# KiCad board poly_kb_molecule_4x5.kicad_pcb (continued)
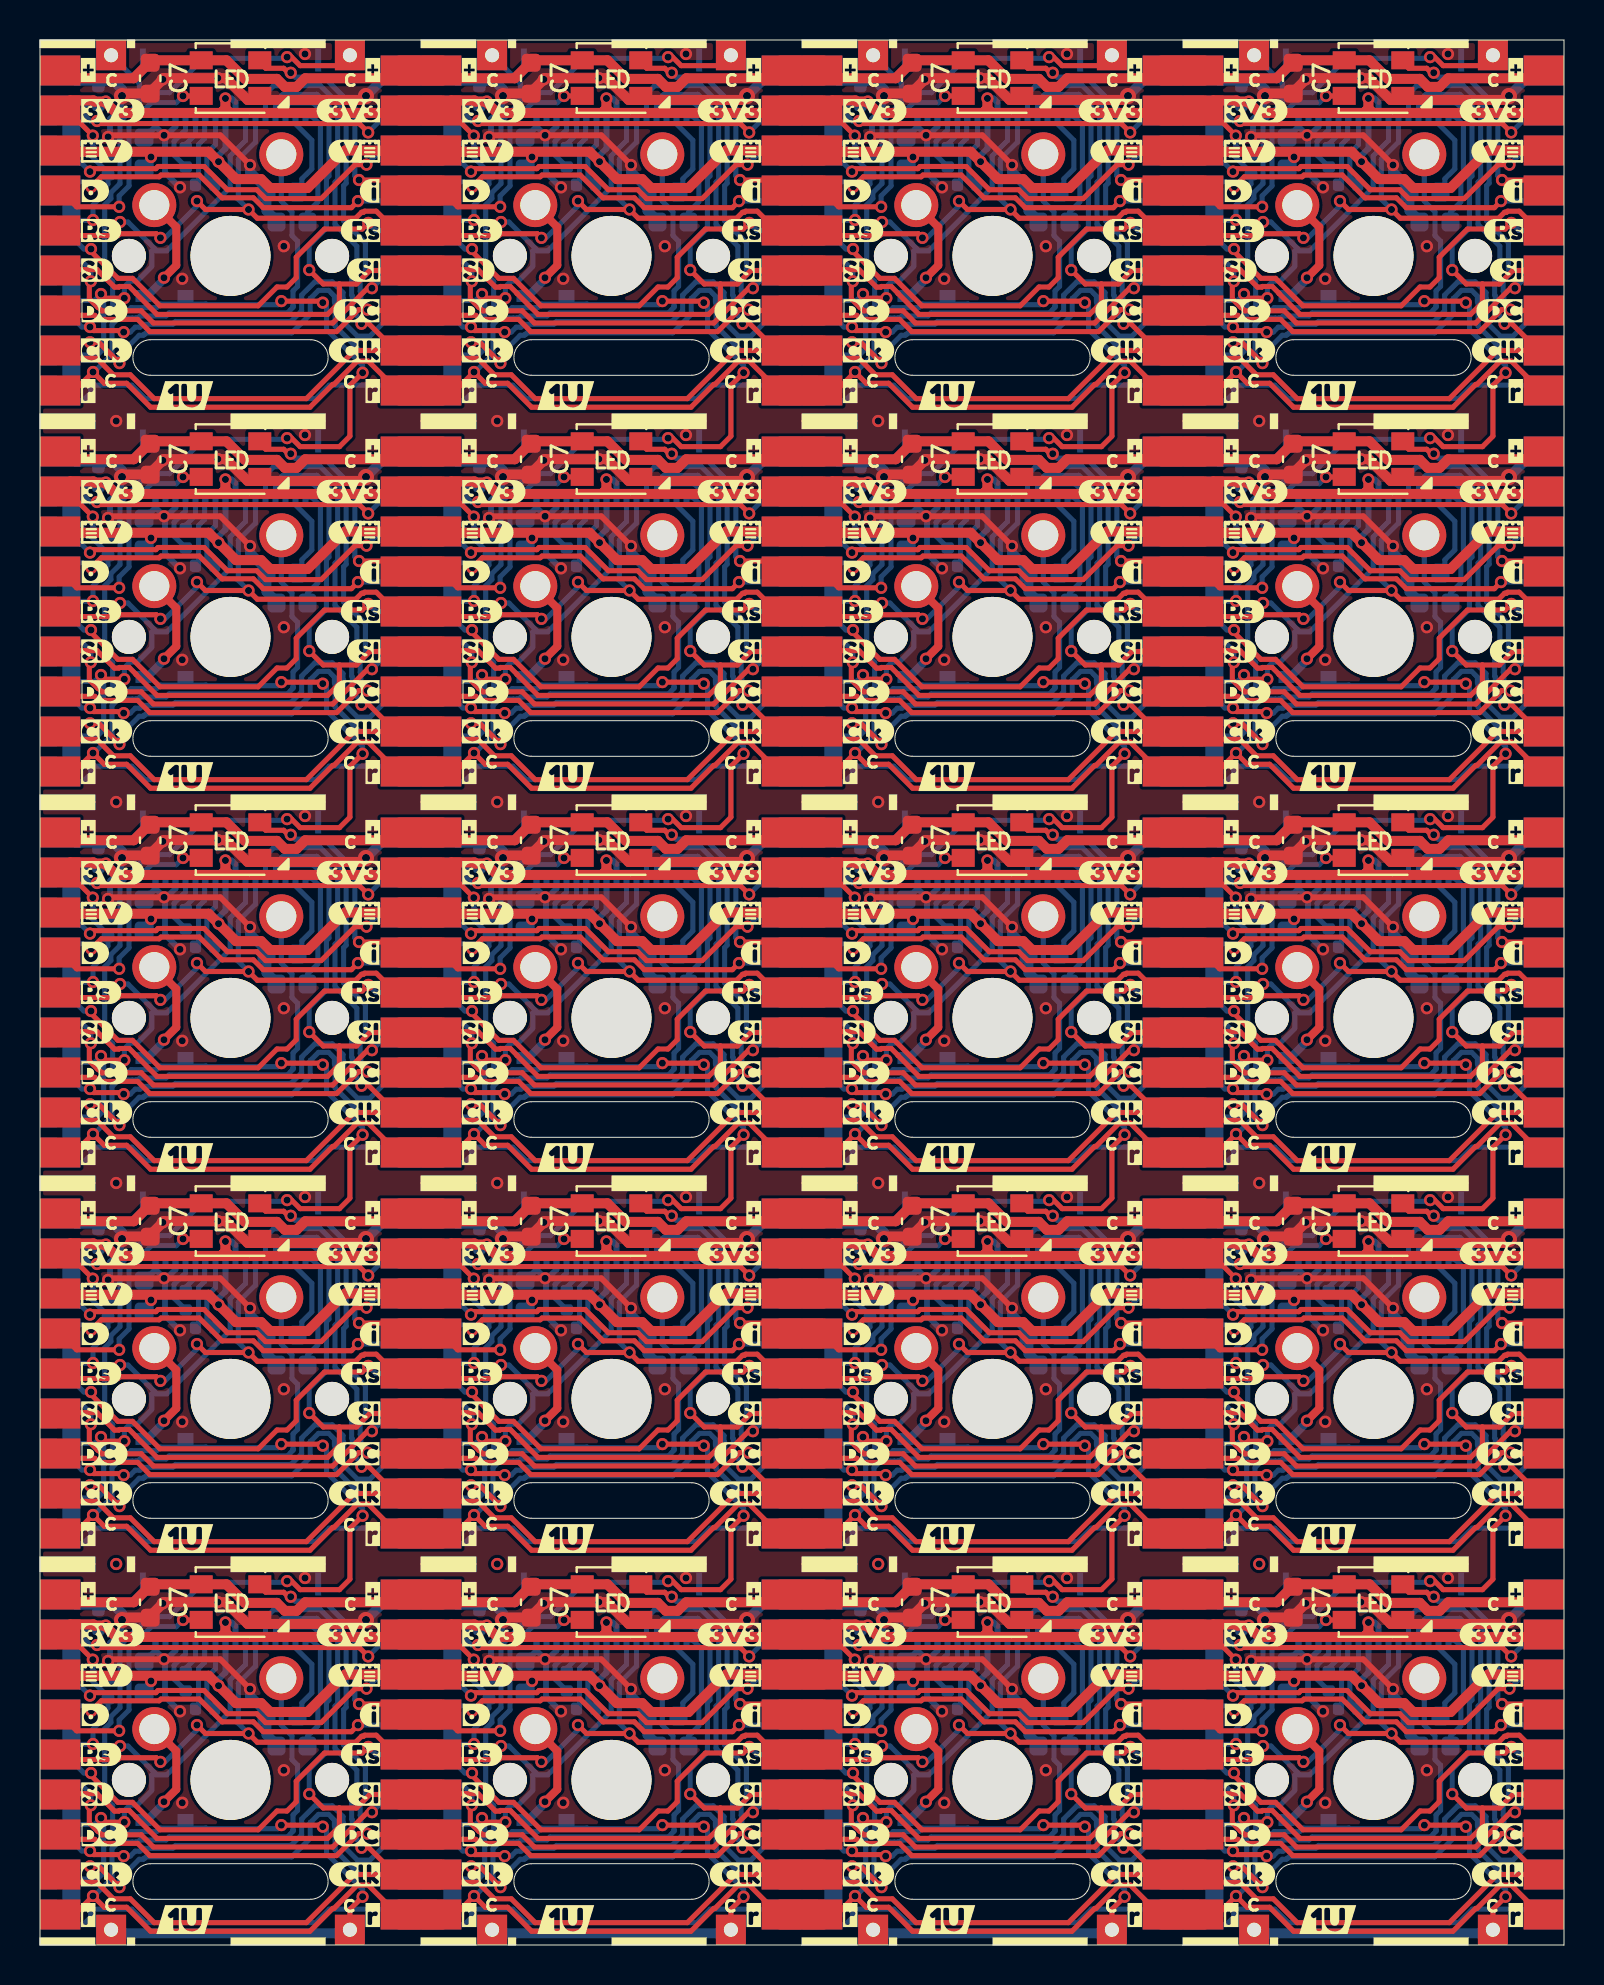
[diagram p0: board, top side]
## Nets (continued)
/Keyboard/sheet605ED2EB/4V2: C2.1 C2#2.1 C2#3.1 C2#4.1 C2#5.1 C2#6.1 C2#7.1 C2#8.1 C2#9.1 C2#10.1 C2#11.1 C2#12.1 C2#13.1 C2#14.1 C2#15.1 C2#16.1 C2#17.1 C2#18.1 C2#19.1 C2#20.1 J1.8 J1#2.8 J1#3.8 J1#4.8 J1#5.8 J1#6.8 J1#7.8 J1#8.8 J1#9.8 J1#10.8 J1#11.8 J1#12.8 J1#13.8 J1#14.8 J1#15.8 J1#16.8 J1#17.8 J1#18.8 J1#19.8 J1#20.8 J3.3 J3#2.3 J3#3.3 J3#4.3 J3#5.3 J3#6.3 J3#7.3 J3#8.3 J3#9.3 J3#10.3 J3#11.3 J3#12.3 J3#13.3 J3#14.3 J3#15.3 J3#16.3 J3#17.3 J3#18.3 J3#19.3 J3#20.3 J4.3 J4#2.3 J4#3.3 J4#4.3 J4#5.3 J4#6.3 J4#7.3 J4#8.3 J4#9.3 J4#10.3 J4#11.3 J4#12.3 J4#13.3 J4#14.3 J4#15.3 J4#16.3 J4#17.3 J4#18.3 J4#19.3 J4#20.3
/Keyboard/sheet605ED2EB/5V: C7.1 C7#2.1 C7#3.1 C7#4.1 C7#5.1 C7#6.1 C7#7.1 C7#8.1 C7#9.1 C7#10.1 C7#11.1 C7#12.1 C7#13.1 C7#14.1 C7#15.1 C7#16.1 C7#17.1 C7#18.1 C7#19.1 C7#20.1 J3.1 J3#2.1 J3#3.1 J3#4.1 J3#5.1 J3#6.1 J3#7.1 J3#8.1 J3#9.1 J3#10.1 J3#11.1 J3#12.1 J3#13.1 J3#14.1 J3#15.1 J3#16.1 J3#17.1 J3#18.1 J3#19.1 J3#20.1 J4.1 J4#2.1 J4#3.1 J4#4.1 J4#5.1 J4#6.1 J4#7.1 J4#8.1 J4#9.1 J4#10.1 J4#11.1 J4#12.1 J4#13.1 J4#14.1 J4#15.1 J4#16.1 J4#17.1 J4#18.1 J4#19.1 J4#20.1 LED1.1 LED1#2.1 LED1#3.1 LED1#4.1 LED1#5.1 LED1#6.1 LED1#7.1 LED1#8.1 LED1#9.1 LED1#10.1 LED1#11.1 LED1#12.1 LED1#13.1 LED1#14.1 LED1#15.1 LED1#16.1 LED1#17.1 LED1#18.1 LED1#19.1 LED1#20.1
/Keyboard/sheet605ED2EB/GND: C1.2 C1#2.2 C1#3.2 C1#4.2 C1#5.2 C1#6.2 C1#7.2 C1#8.2 C1#9.2 C1#10.2 C1#11.2 C1#12.2 C1#13.2 C1#14.2 C1#15.2 C1#16.2 C1#17.2 C1#18.2 C1#19.2 C1#20.2 C2.2 C2#2.2 C2#3.2 C2#4.2 C2#5.2 C2#6.2 C2#7.2 C2#8.2 C2#9.2 C2#10.2 C2#11.2 C2#12.2 C2#13.2 C2#14.2 C2#15.2 C2#16.2 C2#17.2 C2#18.2 C2#19.2 C2#20.2 C3.2 C3#2.2 C3#3.2 C3#4.2 C3#5.2 C3#6.2 C3#7.2 C3#8.2 C3#9.2 C3#10.2 C3#11.2 C3#12.2 C3#13.2 C3#14.2 C3#15.2 C3#16.2 C3#17.2 C3#18.2 C3#19.2 C3#20.2 C4.2 C4#2.2 C4#3.2 C4#4.2 C4#5.2 C4#6.2 C4#7.2 C4#8.2 C4#9.2 C4#10.2 C4#11.2 C4#12.2 C4#13.2 C4#14.2 C4#15.2 C4#16.2 C4#17.2 C4#18.2 C4#19.2 C4#20.2 C7.2 C7#2.2 C7#3.2 C7#4.2 C7#5.2 C7#6.2 C7#7.2 C7#8.2 C7#9.2 C7#10.2 C7#11.2 C7#12.2 C7#13.2 C7#14.2 C7#15.2 C7#16.2 C7#17.2 C7#18.2 C7#19.2 C7#20.2 J1.1 J1.3 J1#2.1 J1#2.3 J1#3.1 J1#3.3 J1#4.1 J1#4.3 J1#5.1 J1#5.3 J1#6.1 J1#6.3 J1#7.1 J1#7.3 J1#8.1 J1#8.3 J1#9.1 J1#9.3 J1#10.1 J1#10.3 J1#11.1 J1#11.3 J1#12.1 J1#12.3 J1#13.1 J1#13.3 J1#14.1 J1#14.3 J1#15.1 J1#15.3 J1#16.1 J1#16.3 J1#17.1 J1#17.3 J1#18.1 J1#18.3 J1#19.1 J1#19.3 J1#20.1 J1#20.3 J5.1 J5#2.1 J5#3.1 J5#4.1 J5#5.1 J5#6.1 J5#7.1 J5#8.1 J5#9.1 J5#10.1 J5#11.1 J5#12.1 J5#13.1 J5#14.1 J5#15.1 J5#16.1 J5#17.1 J5#18.1 J5#19.1 J5#20.1 J6.1 J6#2.1 J6#3.1 J6#4.1 J6#5.1 J6#6.1 J6#7.1 J6#8.1 J6#9.1 J6#10.1 J6#11.1 J6#12.1 J6#13.1 J6#14.1 J6#15.1 J6#16.1 J6#17.1 J6#18.1 J6#19.1 J6#20.1 LED1.3 LED1#2.3 LED1#3.3 LED1#4.3 LED1#5.3 LED1#6.3 LED1#7.3 LED1#8.3 LED1#9.3 LED1#10.3 LED1#11.3 LED1#12.3 LED1#13.3 LED1#14.3 LED1#15.3 LED1#16.3 LED1#17.3 LED1#18.3 LED1#19.3 LED1#20.3
/Keyboard/sheet605ED2EB/CS: J1.10 J1#2.10 J1#3.10 J1#4.10 J1#5.10 J1#6.10 J1#7.10 J1#8.10 J1#9.10 J1#10.10 J1#11.10 J1#12.10 J1#13.10 J1#14.10 J1#15.10 J1#16.10 J1#17.10 J1#18.10 J1#19.10 J1#20.10 J5.10 J5#2.10 J5#3.10 J5#4.10 J5#5.10 J5#6.10 J5#7.10 J5#8.10 J5#9.10 J5#10.10 J5#11.10 J5#12.10 J5#13.10 J5#14.10 J5#15.10 J5#16.10 J5#17.10 J5#18.10 J5#19.10 J5#20.10 R1.2 R1#2.2 R1#3.2 R1#4.2 R1#5.2 R1#6.2 R1#7.2 R1#8.2 R1#9.2 R1#10.2 R1#11.2 R1#12.2 R1#13.2 R1#14.2 R1#15.2 R1#16.2 R1#17.2 R1#18.2 R1#19.2 R1#20.2
/Keyboard/sheet605ED2EB/D-C: J1.12 J1#2.12 J1#3.12 J1#4.12 J1#5.12 J1#6.12 J1#7.12 J1#8.12 J1#9.12 J1#10.12 J1#11.12 J1#12.12 J1#13.12 J1#14.12 J1#15.12 J1#16.12 J1#17.12 J1#18.12 J1#19.12 J1#20.12 J3.7 J3#2.7 J3#3.7 J3#4.7 J3#5.7 J3#6.7 J3#7.7 J3#8.7 J3#9.7 J3#10.7 J3#11.7 J3#12.7 J3#13.7 J3#14.7 J3#15.7 J3#16.7 J3#17.7 J3#18.7 J3#19.7 J3#20.7 J4.7 J4#2.7 J4#3.7 J4#4.7 J4#5.7 J4#6.7 J4#7.7 J4#8.7 J4#9.7 J4#10.7 J4#11.7 J4#12.7 J4#13.7 J4#14.7 J4#15.7 J4#16.7 J4#17.7 J4#18.7 J4#19.7 J4#20.7
/Keyboard/sheet605ED2EB/KeyCol: D1.1 D1#2.1 D1#3.1 D1#4.1 D1#5.1 D1#6.1 D1#7.1 D1#8.1 D1#9.1 D1#10.1 D1#11.1 D1#12.1 D1#13.1 D1#14.1 D1#15.1 D1#16.1 D1#17.1 D1#18.1 D1#19.1 D1#20.1 J2.1 J2#2.1 J2#3.1 J2#4.1 J7.1 J7#2.1 J7#3.1 J7#4.1 J8.1 J8#2.1 J8#3.1 J8#4.1 J9.1 J9#2.1 J9#3.1 J9#4.1
/Keyboard/sheet605ED2EB/KeyRow: J3.9 J3#2.9 J3#3.9 J3#4.9 J3#5.9 J3#6.9 J3#7.9 J3#8.9 J3#9.9 J3#10.9 J3#11.9 J3#12.9 J3#13.9 J3#14.9 J3#15.9 J3#16.9 J3#17.9 J3#18.9 J3#19.9 J3#20.9 J4.9 J4#2.9 J4#3.9 J4#4.9 J4#5.9 J4#6.9 J4#7.9 J4#8.9 J4#9.9 J4#10.9 J4#11.9 J4#12.9 J4#13.9 J4#14.9 J4#15.9 J4#16.9 J4#17.9 J4#18.9 J4#19.9 J4#20.9 SW1.1 SW1#2.1 SW1#3.1 SW1#4.1 SW1#5.1 SW1#6.1 SW1#7.1 SW1#8.1 SW1#9.1 SW1#10.1 SW1#11.1 SW1#12.1 SW1#13.1 SW1#14.1 SW1#15.1 SW1#16.1 SW1#17.1 SW1#18.1 SW1#19.1 SW1#20.1
/Keyboard/sheet605ED2EB/LED_DIN: J3.4 J3#2.4 J3#3.4 J3#4.4 J3#5.4 J3#6.4 J3#7.4 J3#8.4 J3#9.4 J3#10.4 J3#11.4 J3#12.4 J3#13.4 J3#14.4 J3#15.4 J3#16.4 J3#17.4 J3#18.4 J3#19.4 J3#20.4 J4.4 J4#2.4 J4#3.4 J4#4.4 J4#5.4 J4#6.4 J4#7.4 J4#8.4 J4#9.4 J4#10.4 J4#11.4 J4#12.4 J4#13.4 J4#14.4 J4#15.4 J4#16.4 J4#17.4 J4#18.4 J4#19.4 J4#20.4 LED1.2 LED1.4 LED1#2.2 LED1#2.4 LED1#3.2 LED1#3.4 LED1#4.2 LED1#4.4 LED1#5.2 LED1#5.4 LED1#6.2 LED1#6.4 LED1#7.2 LED1#7.4 LED1#8.2 LED1#8.4 LED1#9.2 LED1#9.4 LED1#10.2 LED1#10.4 LED1#11.2 LED1#11.4 LED1#12.2 LED1#12.4 LED1#13.2 LED1#13.4 LED1#14.2 LED1#14.4 LED1#15.2 LED1#15.4 LED1#16.2 LED1#16.4 LED1#17.2 LED1#17.4 LED1#18.2 LED1#18.4 LED1#19.2 LED1#19.4 LED1#20.2 LED1#20.4
/Keyboard/sheet605ED2EB/RESET: J1.11 J1#2.11 J1#3.11 J1#4.11 J1#5.11 J1#6.11 J1#7.11 J1#8.11 J1#9.11 J1#10.11 J1#11.11 J1#12.11 J1#13.11 J1#14.11 J1#15.11 J1#16.11 J1#17.11 J1#18.11 J1#19.11 J1#20.11 J3.5 J3#2.5 J3#3.5 J3#4.5 J3#5.5 J3#6.5 J3#7.5 J3#8.5 J3#9.5 J3#10.5 J3#11.5 J3#12.5 J3#13.5 J3#14.5 J3#15.5 J3#16.5 J3#17.5 J3#18.5 J3#19.5 J3#20.5 J4.5 J4#2.5 J4#3.5 J4#4.5 J4#5.5 J4#6.5 J4#7.5 J4#8.5 J4#9.5 J4#10.5 J4#11.5 J4#12.5 J4#13.5 J4#14.5 J4#15.5 J4#16.5 J4#17.5 J4#18.5 J4#19.5 J4#20.5
/Keyboard/sheet605ED2EB/SCLK: J1.13 J1#2.13 J1#3.13 J1#4.13 J1#5.13 J1#6.13 J1#7.13 J1#8.13 J1#9.13 J1#10.13 J1#11.13 J1#12.13 J1#13.13 J1#14.13 J1#15.13 J1#16.13 J1#17.13 J1#18.13 J1#19.13 J1#20.13 J3.8 J3#2.8 J3#3.8 J3#4.8 J3#5.8 J3#6.8 J3#7.8 J3#8.8 J3#9.8 J3#10.8 J3#11.8 J3#12.8 J3#13.8 J3#14.8 J3#15.8 J3#16.8 J3#17.8 J3#18.8 J3#19.8 J3#20.8 J4.8 J4#2.8 J4#3.8 J4#4.8 J4#5.8 J4#6.8 J4#7.8 J4#8.8 J4#9.8 J4#10.8 J4#11.8 J4#12.8 J4#13.8 J4#14.8 J4#15.8 J4#16.8 J4#17.8 J4#18.8 J4#19.8 J4#20.8
/Keyboard/sheet605ED2EB/SDIN: J1.14 J1#2.14 J1#3.14 J1#4.14 J1#5.14 J1#6.14 J1#7.14 J1#8.14 J1#9.14 J1#10.14 J1#11.14 J1#12.14 J1#13.14 J1#14.14 J1#15.14 J1#16.14 J1#17.14 J1#18.14 J1#19.14 J1#20.14 J3.6 J3#2.6 J3#3.6 J3#4.6 J3#5.6 J3#6.6 J3#7.6 J3#8.6 J3#9.6 J3#10.6 J3#11.6 J3#12.6 J3#13.6 J3#14.6 J3#15.6 J3#16.6 J3#17.6 J3#18.6 J3#19.6 J3#20.6 J4.6 J4#2.6 J4#3.6 J4#4.6 J4#5.6 J4#6.6 J4#7.6 J4#8.6 J4#9.6 J4#10.6 J4#11.6 J4#12.6 J4#13.6 J4#14.6 J4#15.6 J4#16.6 J4#17.6 J4#18.6 J4#19.6 J4#20.6
CS1: J5.2 J5#2.2 J5#3.2 J5#4.2 J5#5.2 J5#6.2 J5#7.2 J5#8.2 J5#9.2 J5#10.2 J5#11.2 J5#12.2 J5#13.2 J5#14.2 J5#15.2 J5#16.2 J5#17.2 J5#18.2 J5#19.2 J5#20.2 J6.2 J6#2.2 J6#3.2 J6#4.2 J6#5.2 J6#6.2 J6#7.2 J6#8.2 J6#9.2 J6#10.2 J6#11.2 J6#12.2 J6#13.2 J6#14.2 J6#15.2 J6#16.2 J6#17.2 J6#18.2 J6#19.2 J6#20.2
CS2: J5.3 J5#2.3 J5#3.3 J5#4.3 J5#5.3 J5#6.3 J5#7.3 J5#8.3 J5#9.3 J5#10.3 J5#11.3 J5#12.3 J5#13.3 J5#14.3 J5#15.3 J5#16.3 J5#17.3 J5#18.3 J5#19.3 J5#20.3 J6.3 J6#2.3 J6#3.3 J6#4.3 J6#5.3 J6#6.3 J6#7.3 J6#8.3 J6#9.3 J6#10.3 J6#11.3 J6#12.3 J6#13.3 J6#14.3 J6#15.3 J6#16.3 J6#17.3 J6#18.3 J6#19.3 J6#20.3
CS3: J5.4 J5#2.4 J5#3.4 J5#4.4 J5#5.4 J5#6.4 J5#7.4 J5#8.4 J5#9.4 J5#10.4 J5#11.4 J5#12.4 J5#13.4 J5#14.4 J5#15.4 J5#16.4 J5#17.4 J5#18.4 J5#19.4 J5#20.4 J6.4 J6#2.4 J6#3.4 J6#4.4 J6#5.4 J6#6.4 J6#7.4 J6#8.4 J6#9.4 J6#10.4 J6#11.4 J6#12.4 J6#13.4 J6#14.4 J6#15.4 J6#16.4 J6#17.4 J6#18.4 J6#19.4 J6#20.4
CS4: J5.5 J5#2.5 J5#3.5 J5#4.5 J5#5.5 J5#6.5 J5#7.5 J5#8.5 J5#9.5 J5#10.5 J5#11.5 J5#12.5 J5#13.5 J5#14.5 J5#15.5 J5#16.5 J5#17.5 J5#18.5 J5#19.5 J5#20.5 J6.5 J6#2.5 J6#3.5 J6#4.5 J6#5.5 J6#6.5 J6#7.5 J6#8.5 J6#9.5 J6#10.5 J6#11.5 J6#12.5 J6#13.5 J6#14.5 J6#15.5 J6#16.5 J6#17.5 J6#18.5 J6#19.5 J6#20.5
CS5: J5.6 J5#2.6 J5#3.6 J5#4.6 J5#5.6 J5#6.6 J5#7.6 J5#8.6 J5#9.6 J5#10.6 J5#11.6 J5#12.6 J5#13.6 J5#14.6 J5#15.6 J5#16.6 J5#17.6 J5#18.6 J5#19.6 J5#20.6 J6.6 J6#2.6 J6#3.6 J6#4.6 J6#5.6 J6#6.6 J6#7.6 J6#8.6 J6#9.6 J6#10.6 J6#11.6 J6#12.6 J6#13.6 J6#14.6 J6#15.6 J6#16.6 J6#17.6 J6#18.6 J6#19.6 J6#20.6
CS6: J5.7 J5#2.7 J5#3.7 J5#4.7 J5#5.7 J5#6.7 J5#7.7 J5#8.7 J5#9.7 J5#10.7 J5#11.7 J5#12.7 J5#13.7 J5#14.7 J5#15.7 J5#16.7 J5#17.7 J5#18.7 J5#19.7 J5#20.7 J6.7 J6#2.7 J6#3.7 J6#4.7 J6#5.7 J6#6.7 J6#7.7 J6#8.7 J6#9.7 J6#10.7 J6#11.7 J6#12.7 J6#13.7 J6#14.7 J6#15.7 J6#16.7 J6#17.7 J6#18.7 J6#19.7 J6#20.7
CS7: J5.8 J5#2.8 J5#3.8 J5#4.8 J5#5.8 J5#6.8 J5#7.8 J5#8.8 J5#9.8 J5#10.8 J5#11.8 J5#12.8 J5#13.8 J5#14.8 J5#15.8 J5#16.8 J5#17.8 J5#18.8 J5#19.8 J5#20.8 J6.8 J6#2.8 J6#3.8 J6#4.8 J6#5.8 J6#6.8 J6#7.8 J6#8.8 J6#9.8 J6#10.8 J6#11.8 J6#12.8 J6#13.8 J6#14.8 J6#15.8 J6#16.8 J6#17.8 J6#18.8 J6#19.8 J6#20.8
CS8: J5.9 J5#2.9 J5#3.9 J5#4.9 J5#5.9 J5#6.9 J5#7.9 J5#8.9 J5#9.9 J5#10.9 J5#11.9 J5#12.9 J5#13.9 J5#14.9 J5#15.9 J5#16.9 J5#17.9 J5#18.9 J5#19.9 J5#20.9 J6.9 J6#2.9 J6#3.9 J6#4.9 J6#5.9 J6#6.9 J6#7.9 J6#8.9 J6#9.9 J6#10.9 J6#11.9 J6#12.9 J6#13.9 J6#14.9 J6#15.9 J6#16.9 J6#17.9 J6#18.9 J6#19.9 J6#20.9
Net-(C1-Pad1): C1.1 C1#2.1 C1#3.1 C1#4.1 C1#5.1 C1#6.1 C1#7.1 C1#8.1 C1#9.1 C1#10.1 C1#11.1 C1#12.1 C1#13.1 C1#14.1 C1#15.1 C1#16.1 C1#17.1 C1#18.1 C1#19.1 C1#20.1 J1.16 J1#2.16 J1#3.16 J1#4.16 J1#5.16 J1#6.16 J1#7.16 J1#8.16 J1#9.16 J1#10.16 J1#11.16 J1#12.16 J1#13.16 J1#14.16 J1#15.16 J1#16.16 J1#17.16 J1#18.16 J1#19.16 J1#20.16
Net-(C4-Pad1): C4.1 C4#2.1 C4#3.1 C4#4.1 C4#5.1 C4#6.1 C4#7.1 C4#8.1 C4#9.1 C4#10.1 C4#11.1 C4#12.1 C4#13.1 C4#14.1 C4#15.1 C4#16.1 C4#17.1 C4#18.1 C4#19.1 C4#20.1 J1.15 J1#2.15 J1#3.15 J1#4.15 J1#5.15 J1#6.15 J1#7.15 J1#8.15 J1#9.15 J1#10.15 J1#11.15 J1#12.15 J1#13.15 J1#14.15 J1#15.15 J1#16.15 J1#17.15 J1#18.15 J1#19.15 J1#20.15
Net-(C5-Pad1): C5.1 C5#2.1 C5#3.1 C5#4.1 C5#5.1 C5#6.1 C5#7.1 C5#8.1 C5#9.1 C5#10.1 C5#11.1 C5#12.1 C5#13.1 C5#14.1 C5#15.1 C5#16.1 C5#17.1 C5#18.1 C5#19.1 C5#20.1 J1.4 J1#2.4 J1#3.4 J1#4.4 J1#5.4 J1#6.4 J1#7.4 J1#8.4 J1#9.4 J1#10.4 J1#11.4 J1#12.4 J1#13.4 J1#14.4 J1#15.4 J1#16.4 J1#17.4 J1#18.4 J1#19.4 J1#20.4
Net-(C5-Pad2): C5.2 C5#2.2 C5#3.2 C5#4.2 C5#5.2 C5#6.2 C5#7.2 C5#8.2 C5#9.2 C5#10.2 C5#11.2 C5#12.2 C5#13.2 C5#14.2 C5#15.2 C5#16.2 C5#17.2 C5#18.2 C5#19.2 C5#20.2 J1.5 J1#2.5 J1#3.5 J1#4.5 J1#5.5 J1#6.5 J1#7.5 J1#8.5 J1#9.5 J1#10.5 J1#11.5 J1#12.5 J1#13.5 J1#14.5 J1#15.5 J1#16.5 J1#17.5 J1#18.5 J1#19.5 J1#20.5
Net-(C6-Pad1): C6.1 C6#2.1 C6#3.1 C6#4.1 C6#5.1 C6#6.1 C6#7.1 C6#8.1 C6#9.1 C6#10.1 C6#11.1 C6#12.1 C6#13.1 C6#14.1 C6#15.1 C6#16.1 C6#17.1 C6#18.1 C6#19.1 C6#20.1 J1.6 J1#2.6 J1#3.6 J1#4.6 J1#5.6 J1#6.6 J1#7.6 J1#8.6 J1#9.6 J1#10.6 J1#11.6 J1#12.6 J1#13.6 J1#14.6 J1#15.6 J1#16.6 J1#17.6 J1#18.6 J1#19.6 J1#20.6
Net-(C6-Pad2): C6.2 C6#2.2 C6#3.2 C6#4.2 C6#5.2 C6#6.2 C6#7.2 C6#8.2 C6#9.2 C6#10.2 C6#11.2 C6#12.2 C6#13.2 C6#14.2 C6#15.2 C6#16.2 C6#17.2 C6#18.2 C6#19.2 C6#20.2 J1.7 J1#2.7 J1#3.7 J1#4.7 J1#5.7 J1#6.7 J1#7.7 J1#8.7 J1#9.7 J1#10.7 J1#11.7 J1#12.7 J1#13.7 J1#14.7 J1#15.7 J1#16.7 J1#17.7 J1#18.7 J1#19.7 J1#20.7
Net-(D1-Pad2): D1.2 D1#2.2 D1#3.2 D1#4.2 D1#5.2 D1#6.2 D1#7.2 D1#8.2 D1#9.2 D1#10.2 D1#11.2 D1#12.2 D1#13.2 D1#14.2 D1#15.2 D1#16.2 D1#17.2 D1#18.2 D1#19.2 D1#20.2 SW1.2 SW1#2.2 SW1#3.2 SW1#4.2 SW1#5.2 SW1#6.2 SW1#7.2 SW1#8.2 SW1#9.2 SW1#10.2 SW1#11.2 SW1#12.2 SW1#13.2 SW1#14.2 SW1#15.2 SW1#16.2 SW1#17.2 SW1#18.2 SW1#19.2 SW1#20.2

Pads without a net: J1 0 2; J1#2 0 2; J1#3 0 2; J1#4 0 2; J1#5 0 2; J1#6 0 2; J1#7 0 2; J1#8 0 2; J1#9 0 2; J1#10 0 2; J1#11 0 2; J1#12 0 2; J1#13 0 2; J1#14 0 2; J1#15 0 2; J1#16 0 2; J1#17 0 2; J1#18 0 2; J1#19 0 2; J1#20 0 2

## Via types
v1: diameter 0.61, hole 0.356, Top to Bottom, 976 vias
v2: diameter 0.8, hole 0.4, Top to Bottom, 40 vias

## Routing (per net, layer and track width the routed paths; a pad name or vN(x,y) marks a point on that pad's centre or on a via; arc(x,y) is an arc through that point)
/Keyboard/sheet605ED2EB/3V3: length 534.3
  Top w0.25: J3#10.2 1.38,72.67 v1(2.64,71.42) ; v1(59.79,33.32) 58.53,34.58 J3#20.2 ; v1(2.64,90.47) 1.38,91.72 J3.2 ; J3#14.2 20.43,15.53 v1(21.69,14.27) ; v1(21.69,33.32) 20.43,34.58 J3#7.2 ; v1(40.74,14.27) 39.48,15.53 J3#3.2 ; J3#19.2 39.48,91.72 v1(40.74,90.47) ; v1(40.74,52.37) 39.48,53.62 J3#6.2 ; J3#5.2 58.53,72.67 v1(59.79,71.42) ; v1(59.79,90.47) 58.53,91.72 J3#12.2 ; v1(40.74,33.32) 39.48,34.58 J3#17.2 ; J3#13.2 58.53,53.62 v1(59.79,52.37) ; v1(21.69,90.47) 20.43,91.72 J3#11.2 ; J3#16.2 1.38,34.58 v1(2.64,33.32) ; J3#8.2 1.38,15.53 v1(2.64,14.27) ; v1(21.69,71.42) 20.43,72.67 J3#9.2 ; J3#15.2 58.53,15.53 v1(59.79,14.27) ; J3#2.2 20.43,53.62 v1(21.69,52.37) ; J3#18.2 39.48,72.67 v1(40.74,71.42) ; J3#4.2 1.38,53.62 v1(2.64,52.37)
  Top w0.3: 1.51,73.17 J3#10.2 ; 58.66,73.17 J3#5.2 ; 20.56,35.07 J3#7.2 ; 1.51,54.12 J3#4.2 ; 20.56,54.12 J3#2.2 ; 1.51,35.07 J3#16.2 ; 39.61,35.07 J3#17.2 ; 39.61,73.17 J3#18.2 ; 1.51,16.02 J3#8.2 ; 20.56,92.22 J3#11.2 ; 58.66,54.12 J3#13.2 ; 58.66,16.02 J3#15.2 ; 39.61,16.02 J3#3.2 ; 58.66,92.22 J3#12.2 ; 20.56,16.02 J3#14.2 ; 39.61,54.12 J3#6.2 ; 1.51,92.22 J3.2 ; 39.61,92.22 J3#19.2 ; 58.66,35.07 J3#20.2 ; 20.56,73.17 J3#9.2
  Top w0.5: 1.27,72.67 1.47,72.87 ; 47.23,53.58 47.52,53.58 47.37,53.72 ; 47.23,53.58 47.18,53.53 ; 47.23,53.58 47.37,53.72 ; 9.13,15.48 9.42,15.48 9.27,15.62 ; 9.13,15.48 9.08,15.43 ; 9.13,15.48 9.27,15.62 ; 28.18,72.63 28.47,72.63 28.32,72.77 ; 28.18,72.63 28.32,72.77 ; 28.18,72.63 28.13,72.58 ; 28.32,15.62 28.18,15.48 ; 28.32,15.62 v1(28.32,16.13) ; 28.32,15.62 28.47,15.48 28.18,15.48 ; 28.18,15.48 28.13,15.43 ; v1(28.32,35.18) 28.32,34.67 ; 28.32,34.67 28.47,34.53 28.18,34.53 ; 28.32,34.67 28.18,34.53 ; 39.37,15.53 39.57,15.72 ; 28.32,91.82 28.47,91.68 28.18,91.68 ; 28.32,91.82 28.18,91.68 ; 28.32,91.82 v1(28.32,92.33) ; 20.32,53.62 20.52,53.82 ; 39.37,91.72 39.57,91.92 ; 20.32,15.53 20.52,15.72 ; v1(9.27,92.33) 9.27,91.82 ; 9.27,91.82 9.13,91.68 ; 9.27,91.82 9.42,91.68 9.13,91.68 ; J4#9.2 36.96,15.4 22.86,15.4 22.34,15.93 v1(22.34,15.97) 21.77,15.97 21.72,16.03 20.57,16.03 J3#14.2 ; 66.28,91.68 66.23,91.63 ; 66.28,91.68 66.57,91.68 66.42,91.82 ; 66.28,91.68 66.42,91.82 ; J4#15.2 36.96,34.45 22.86,34.45 22.34,34.98 v1(22.34,35.02) 21.77,35.02 21.72,35.08 20.57,35.08 J3#7.2 ; 28.18,91.68 28.13,91.63 ; 47.37,15.62 47.23,15.48 ; 47.37,15.62 47.52,15.48 47.23,15.48 ; 47.37,15.62 v1(47.37,16.13) ; 47.23,15.48 47.18,15.43 ; 28.32,53.72 28.47,53.58 28.18,53.58 ; 28.32,53.72 28.18,53.58 ; 28.32,53.72 v1(28.32,54.23) ; 66.42,72.77 66.28,72.63 ; 66.42,72.77 v1(66.42,73.28) ; 66.42,72.77 66.57,72.63 66.28,72.63 ; 66.28,72.63 66.23,72.58 ; 9.27,72.77 9.13,72.63 ; 9.27,72.77 v1(9.27,73.28) ; 9.27,72.77 9.42,72.63 9.13,72.63 ; 9.13,72.63 9.08,72.58 ; J4#3.2 75.06,72.55 60.96,72.55 60.44,73.08 v1(60.44,73.12) 59.87,73.12 59.82,73.18 58.67,73.18 J3#5.2 ; 28.18,34.53 28.13,34.48 ; J3#13.2 58.67,54.13 59.82,54.13 59.87,54.07 v1(60.44,54.07) 60.44,54.03 60.96,53.5 75.06,53.5 J4#11.2 ; 66.42,34.67 66.57,34.53 66.28,34.53 ; 66.42,34.67 66.28,34.53 ; 66.42,34.67 v1(66.42,35.18) ; 58.42,34.58 58.62,34.77 ; 66.42,15.62 66.57,15.48 66.28,15.48 ; 66.42,15.62 v1(66.42,16.13) ; 66.42,15.62 66.28,15.48 ; J3#6.2 39.62,54.13 40.77,54.13 40.82,54.07 v1(41.39,54.07) 41.39,54.03 41.91,53.5 56.01,53.5 J4#2.2 ; 66.28,34.53 66.23,34.48 ; 9.13,91.68 9.08,91.63 ; J3#2.2 20.57,54.13 21.72,54.13 21.77,54.07 v1(22.34,54.07) 22.34,54.03 22.86,53.5 36.96,53.5 J4#12.2 ; J3#10.2 1.52,73.18 2.67,73.18 2.72,73.12 v1(3.29,73.12) 3.29,73.08 3.81,72.55 17.91,72.55 J4#17.2 ; 47.23,34.53 47.18,34.48 ; 47.23,34.53 47.52,34.53 47.37,34.67 ; 47.23,34.53 47.37,34.67 ; 9.13,34.53 9.08,34.48 ; 9.13,34.53 9.27,34.67 ; 9.13,34.53 9.42,34.53 9.27,34.67 ; J4#4.2 17.91,15.4 3.81,15.4 3.29,15.93 v1(3.29,15.97) 2.72,15.97 2.67,16.03 1.52,16.03 J3#8.2 ; 9.13,53.58 9.42,53.58 9.27,53.72 ; 9.13,53.58 9.27,53.72 ; 9.13,53.58 9.08,53.53 ; 1.27,53.62 1.47,53.82 ; 58.42,15.53 58.62,15.72 ; v1(47.37,73.28) 47.37,72.77 ; 47.37,72.77 47.52,72.63 47.23,72.63 ; 47.37,72.77 47.23,72.63 ; 28.32,72.77 v1(28.32,73.28) ; 58.42,72.67 58.62,72.87 ; J3#4.2 1.52,54.13 2.67,54.13 2.72,54.07 v1(3.29,54.07) 3.29,54.03 3.81,53.5 17.91,53.5 J4#5.2 ; J4#6.2 75.06,15.4 60.96,15.4 60.44,15.93 v1(60.44,15.97) 59.87,15.97 59.82,16.03 58.67,16.03 J3#15.2 ; 9.27,34.67 v1(9.27,35.18) ; 28.18,53.58 28.13,53.53 ; J3.2 1.52,92.23 2.67,92.23 2.72,92.17 v1(3.29,92.17) 3.29,92.13 3.81,91.6 17.91,91.6 J4.2 ; 47.23,91.68 47.18,91.63 ; 47.23,91.68 47.37,91.82 ; 47.23,91.68 47.52,91.68 47.37,91.82 ; 1.27,91.72 1.47,91.92 ; 9.27,53.72 v1(9.27,54.23) ; 20.32,34.58 20.52,34.77 ; J4#10.2 56.01,72.55 41.91,72.55 41.39,73.08 v1(41.39,73.12) 40.82,73.12 40.77,73.18 39.62,73.18 J3#18.2 ; J4#8.2 36.96,72.55 22.86,72.55 22.34,73.08 v1(22.34,73.12) 21.77,73.12 21.72,73.18 20.57,73.18 J3#9.2 ; J3#17.2 39.62,35.08 40.77,35.08 40.82,35.02 v1(41.39,35.02) 41.39,34.98 41.91,34.45 56.01,34.45 J4#19.2 ; 39.37,72.67 39.57,72.87 ; 66.28,53.58 66.57,53.58 66.42,53.72 ; 66.28,53.58 66.42,53.72 ; 66.28,53.58 66.23,53.53 ; 58.42,53.62 58.62,53.82 ; 47.37,91.82 v1(47.37,92.33) ; J3#20.2 58.67,35.08 59.82,35.08 59.87,35.02 v1(60.44,35.02) 60.44,34.98 60.96,34.45 75.06,34.45 J4#14.2 ; J4#20.2 36.96,91.6 22.86,91.6 22.34,92.13 v1(22.34,92.17) 21.77,92.17 21.72,92.23 20.57,92.23 J3#11.2 ; v1(47.37,35.18) 47.37,34.67 ; 66.42,53.72 v1(66.42,54.23) ; 1.27,34.58 1.47,34.77 ; 1.27,15.53 1.47,15.72 ; J4#7.2 75.06,91.6 60.96,91.6 60.44,92.13 v1(60.44,92.17) 59.87,92.17 59.82,92.23 58.67,92.23 J3#12.2 ; J4#16.2 17.91,34.45 3.81,34.45 3.29,34.98 v1(3.29,35.02) 2.72,35.02 2.67,35.08 1.52,35.08 J3#16.2 ; v1(66.42,92.33) 66.42,91.82 ; J3#3.2 39.62,16.03 40.77,16.03 40.82,15.97 v1(41.39,15.97) 41.39,15.93 41.91,15.4 56.01,15.4 J4#18.2 ; v1(47.37,54.23) 47.37,53.72 ; 9.27,15.62 v1(9.27,16.13) ; 47.23,72.63 47.18,72.58 ; 66.28,15.48 66.23,15.43 ; 39.37,53.62 39.57,53.82 ; J4#13.2 56.01,91.6 41.91,91.6 41.39,92.13 v1(41.39,92.17) 40.82,92.17 40.77,92.23 39.62,92.23 J3#19.2 ; 20.32,91.72 20.52,91.92 ; 20.32,72.67 20.52,72.87 ; 39.37,34.58 39.57,34.77 ; 58.42,91.72 58.62,91.92
  Top w1.5: J4#12.2 J3#6.2 ; J4#9.2 J3#3.2 ; J4#20.2 J3#19.2 ; J3#12.2 J4#13.2 ; J4#5.2 J3#2.2 ; J3#13.2 J4#2.2 ; J3#20.2 J4#19.2 ; J4.2 J3#11.2 ; J4#15.2 J3#17.2 ; J4#8.2 J3#18.2 ; J3#5.2 J4#10.2 ; J3#15.2 J4#18.2 ; J4#17.2 J3#9.2 ; J4#16.2 J3#7.2 ; J4#4.2 J3#14.2
  Bottom w0.25: v1(2.64,14.27) 2.64,13.75 3.07,13.32 3.44,13.32 ; 22.49,51.42 22.12,51.42 21.69,51.85 v1(21.69,52.37) ; v1(21.69,33.32) 21.69,32.8 22.12,32.37 22.49,32.37 ; v1(40.74,33.32) 40.74,32.8 41.17,32.37 41.54,32.37 ; v1(2.64,71.42) 2.64,70.9 3.07,70.47 3.44,70.47 ; v1(21.69,90.47) 21.69,89.95 22.12,89.52 22.49,89.52 ; v1(59.79,33.32) 59.79,32.8 60.22,32.37 60.59,32.37 ; 60.59,70.47 60.22,70.47 59.79,70.9 v1(59.79,71.42) ; v1(59.79,52.37) 59.79,51.85 60.22,51.42 60.59,51.42 ; v1(2.64,90.47) 2.64,89.95 3.07,89.52 3.44,89.52 ; 41.54,70.47 41.17,70.47 40.74,70.9 v1(40.74,71.42) ; 41.54,89.52 41.17,89.52 40.74,89.95 v1(40.74,90.47) ; 60.59,89.52 60.22,89.52 59.79,89.95 v1(59.79,90.47) ; v1(2.64,33.32) 2.64,32.8 3.07,32.37 3.44,32.37 ; v1(21.69,71.42) 21.69,70.9 22.12,70.47 22.49,70.47 ; 3.44,51.42 3.07,51.42 2.64,51.85 v1(2.64,52.37) ; v1(40.74,14.27) 40.74,13.75 41.17,13.32 41.54,13.32 ; v1(40.74,52.37) 40.74,51.85 41.17,51.42 41.54,51.42 ; 22.49,13.32 22.12,13.32 21.69,13.75 v1(21.69,14.27) ; 60.59,13.32 60.22,13.32 59.79,13.75 v1(59.79,14.27)
  Bottom w0.3: J1#11.9 9.77,15.92 9.57,16.13 v1(9.27,16.13) ; C3#9.1 22.14,15.78 v1(22.34,15.97) ; v1(22.34,73.12) 22.14,72.93 C3#12.1 ; J1#17.9 66.92,73.08 66.72,73.28 v1(66.42,73.28) ; J1#8.9 47.88,54.02 47.67,54.23 v1(47.37,54.23) ; v1(66.42,92.33) 66.72,92.33 66.92,92.12 J1#10.9 ; v1(60.44,73.12) 60.24,72.93 C3#20.1 ; v1(3.29,54.07) 3.09,53.88 C3#11.1 ; v1(47.37,35.18) 47.67,35.18 47.88,34.97 J1#18.9 ; v1(28.32,73.28) 28.62,73.28 28.83,73.08 J1#16.9 ; C3.1 3.09,91.98 v1(3.29,92.17) ; v1(28.32,54.23) 28.62,54.23 28.83,54.02 J1#12.9 ; v1(47.37,73.28) 47.67,73.28 47.88,73.08 J1#4.9 ; v1(3.29,15.97) 3.09,15.78 C3#7.1 ; C3#13.1 3.09,34.83 v1(3.29,35.02) ; v1(22.34,54.07) 22.14,53.88 C3#6.1 ; C3#15.1 60.24,15.78 v1(60.44,15.97) ; v1(9.27,35.18) 9.57,35.18 9.77,34.97 J1#5.9 ; v1(9.27,54.23) 9.57,54.23 9.77,54.02 J1#6.9 ; J1#13.9 28.83,92.12 28.62,92.33 v1(28.32,92.33) ; C3#19.1 41.19,34.83 v1(41.39,35.02) ; C3#18.1 3.09,72.93 v1(3.29,73.12) ; J1#14.9 47.88,15.92 47.67,16.13 v1(47.37,16.13) ; J1#19.9 66.92,54.02 66.72,54.23 v1(66.42,54.23) ; v1(22.34,92.17) 22.14,91.98 C3#16.1 ; v1(41.39,15.97) 41.19,15.78 C3#10.1 ; v1(66.42,35.18) 66.72,35.18 66.92,34.97 J1#3.9 ; J1.9 9.77,92.12 9.57,92.33 v1(9.27,92.33) ; C3#14.1 60.24,34.83 v1(60.44,35.02) ; v1(47.37,92.33) 47.67,92.33 47.88,92.12 J1#7.9 ; C3#3.1 60.24,91.98 v1(60.44,92.17) ; v1(9.27,73.28) 9.57,73.28 9.77,73.08 J1#20.9 ; v1(41.39,73.12) 41.19,72.93 C3#4.1 ; J1#2.9 28.83,34.97 28.62,35.18 v1(28.32,35.18) ; v1(60.44,54.07) 60.24,53.88 C3#2.1 ; J1#15.9 66.92,15.92 66.72,16.13 v1(66.42,16.13) ; J1#9.9 28.83,15.92 28.62,16.13 v1(28.32,16.13) ; C3#17.1 41.19,53.88 v1(41.39,54.07) ; C3#8.1 22.14,34.83 v1(22.34,35.02) ; v1(41.39,92.17) 41.19,91.98 C3#5.1
/Keyboard/sheet605ED2EB/4V2: length 459.7
  Top w0.5: 43.65,70.55 v1(43.65,70.35) ; 55.88,70.67 53.35,70.67 51.48,68.8 49.6,68.8 49.16,69.24 47.9,69.24 v1(47.03,70.12) 46.53,70.61 39.18,70.61 J3#18.3 ; J3#6.3 39.18,51.56 46.53,51.56 v1(47.03,51.07) 47.9,50.19 49.16,50.19 49.6,49.75 51.48,49.75 53.35,51.62 55.88,51.62 ; J3#4.3 1.08,51.56 8.43,51.56 v1(8.93,51.07) 9.8,50.19 11.06,50.19 11.5,49.75 13.38,49.75 15.25,51.62 17.78,51.62 ; 5.55,51.5 v1(5.55,51.3) ; 62.7,13.4 v1(62.7,13.2) ; 24.6,70.55 v1(24.6,70.35) ; J3#13.3 58.23,51.56 65.58,51.56 v1(66.08,51.07) 66.95,50.19 68.21,50.19 68.65,49.75 70.53,49.75 72.4,51.62 74.93,51.62 ; J3#11.3 20.13,89.66 27.48,89.66 v1(27.98,89.17) 28.85,88.29 30.11,88.29 30.55,87.85 32.43,87.85 34.3,89.72 36.83,89.72 ; 24.6,13.4 v1(24.6,13.2) ; 74.93,32.58 72.4,32.58 70.53,30.7 68.65,30.7 68.21,31.14 66.95,31.14 v1(66.08,32.02) 65.58,32.51 58.23,32.51 J3#20.3 ; J3#8.3 1.08,13.46 8.43,13.46 v1(8.93,12.97) 9.8,12.09 11.06,12.09 11.5,11.65 13.38,11.65 15.25,13.53 17.78,13.53 ; 5.55,70.55 v1(5.55,70.35) ; 36.83,70.67 34.3,70.67 32.43,68.8 30.55,68.8 30.11,69.24 28.85,69.24 v1(27.98,70.12) 27.48,70.61 20.13,70.61 J3#9.3 ; J3#3.3 39.18,13.46 46.53,13.46 v1(47.03,12.97) 47.9,12.09 49.16,12.09 49.6,11.65 51.48,11.65 53.35,13.53 55.88,13.53 ; 24.6,89.6 v1(24.6,89.4) ; 5.55,89.6 v1(5.55,89.4) ; 36.83,32.58 34.3,32.58 32.43,30.7 30.55,30.7 30.11,31.14 28.85,31.14 v1(27.98,32.02) 27.48,32.51 20.13,32.51 J3#7.3 ; J3#12.3 58.23,89.66 65.58,89.66 v1(66.08,89.17) 66.95,88.29 68.21,88.29 68.65,87.85 70.53,87.85 72.4,89.72 74.93,89.72 ; 36.83,51.62 34.3,51.62 32.43,49.75 30.55,49.75 30.11,50.19 28.85,50.19 v1(27.98,51.07) 27.48,51.56 20.13,51.56 J3#2.3 ; 74.93,13.53 72.4,13.53 70.53,11.65 68.65,11.65 68.21,12.09 66.95,12.09 v1(66.08,12.97) 65.58,13.46 58.23,13.46 J3#15.3 ; 36.83,13.53 34.3,13.53 32.43,11.65 30.55,11.65 30.11,12.09 28.85,12.09 v1(27.98,12.97) 27.48,13.46 20.13,13.46 J3#14.3 ; 5.55,32.45 v1(5.55,32.25) ; 24.6,51.5 v1(24.6,51.3) ; J3#17.3 39.18,32.51 46.53,32.51 v1(47.03,32.02) 47.9,31.14 49.16,31.14 49.6,30.7 51.48,30.7 53.35,32.58 55.88,32.58 ; 43.65,32.45 v1(43.65,32.25) ; 62.7,89.6 v1(62.7,89.4) ; 17.78,32.58 15.25,32.58 13.38,30.7 11.5,30.7 11.06,31.14 9.8,31.14 v1(8.93,32.02) 8.43,32.51 1.08,32.51 J3#16.3 ; J3#19.3 39.18,89.66 46.53,89.66 v1(47.03,89.17) 47.9,88.29 49.16,88.29 49.6,87.85 51.48,87.85 53.35,89.72 55.88,89.72 ; 74.93,70.67 72.4,70.67 70.53,68.8 68.65,68.8 68.21,69.24 66.95,69.24 v1(66.08,70.12) 65.58,70.61 58.23,70.61 J3#5.3 ; 17.78,89.72 15.25,89.72 13.38,87.85 11.5,87.85 11.06,88.29 9.8,88.29 v1(8.93,89.17) 8.43,89.66 1.08,89.66 J3.3 ; 43.65,13.4 v1(43.65,13.2) ; 62.7,32.45 v1(62.7,32.25) ; 5.55,13.4 v1(5.55,13.2) ; 24.6,32.45 v1(24.6,32.25) ; 17.78,70.67 15.25,70.67 13.38,68.8 11.5,68.8 11.06,69.24 9.8,69.24 v1(8.93,70.12) 8.43,70.61 1.08,70.61 J3#10.3 ; 62.7,70.55 v1(62.7,70.35) ; 43.65,89.6 v1(43.65,89.4) ; 62.7,51.5 v1(62.7,51.3) ; 43.65,51.5 v1(43.65,51.3)
  Top w1.5: J4#9.3 J3#3.3 ; J4#20.3 J3#19.3 ; J4#5.3 J3#2.3 ; J4#10.3 J3#5.3 ; J4#12.3 J3#6.3 ; J4#19.3 J3#20.3 ; J4#18.3 J3#15.3 ; J4.3 J3#11.3 ; J4#13.3 J3#12.3 ; J4#15.3 J3#17.3 ; J4#17.3 J3#9.3 ; J4#4.3 J3#14.3 ; J4#8.3 J3#18.3 ; J4#16.3 J3#7.3 ; J4#2.3 J3#13.3
  Bottom w0.3: v1(47.03,70.12) 47.03,70.43 47.38,70.78 J1#4.8 ; v1(66.08,51.07) 66.08,51.38 66.42,51.73 J1#19.8 ; 24.26,31.86 24.6,32.21 v1(24.6,32.25) ; J1.8 9.27,89.83 8.93,89.48 v1(8.93,89.17) ; v1(43.65,32.25) 43.65,32.21 43.31,31.86 ; J1#8.8 47.38,51.73 47.03,51.38 v1(47.03,51.07) ; v1(27.98,70.12) 27.98,70.43 28.33,70.78 J1#16.8 ; J1#12.8 28.33,51.73 27.98,51.38 v1(27.98,51.07) ; 62.36,69.96 62.7,70.31 v1(62.7,70.35) ; v1(47.03,32.02) 47.03,32.33 47.38,32.68 J1#18.8 ; v1(5.55,51.3) 5.55,51.26 5.21,50.91 ; J1#6.8 9.27,51.73 8.93,51.38 v1(8.93,51.07) ; v1(43.65,70.35) 43.65,70.31 43.31,69.96 ; v1(24.6,89.4) 24.6,89.36 24.26,89.01 ; v1(47.03,89.17) 47.03,89.48 47.38,89.83 J1#7.8 ; v1(8.93,32.02) 8.93,32.33 9.27,32.68 J1#5.8 ; 5.21,69.96 5.55,70.31 v1(5.55,70.35) ; 62.36,31.86 62.7,32.21 v1(62.7,32.25) ; v1(66.08,12.97) 66.08,13.28 66.42,13.63 J1#15.8 ; 24.26,50.91 24.6,51.26 v1(24.6,51.3) ; v1(24.6,70.35) 24.6,70.31 24.26,69.96 ; 5.21,31.86 5.55,32.21 v1(5.55,32.25) ; v1(8.93,12.97) 8.93,13.28 9.27,13.63 J1#11.8 ; 62.36,12.81 62.7,13.16 v1(62.7,13.2) ; v1(43.65,51.3) 43.65,51.26 43.31,50.91 ; v1(27.98,32.02) 27.98,32.33 28.33,32.68 J1#2.8 ; v1(66.08,89.17) 66.08,89.48 66.42,89.83 J1#10.8 ; 43.31,89.01 43.65,89.36 v1(43.65,89.4) ; 43.31,12.81 43.65,13.16 v1(43.65,13.2) ; v1(27.98,12.97) 27.98,13.28 28.33,13.63 J1#9.8 ; 5.21,89.01 5.55,89.36 v1(5.55,89.4) ; v1(62.7,89.4) 62.7,89.36 62.36,89.01 ; J1#20.8 9.27,70.78 8.93,70.43 v1(8.93,70.12) ; v1(66.08,70.12) 66.08,70.43 66.42,70.78 J1#17.8 ; 24.26,12.81 24.6,13.16 v1(24.6,13.2) ; J1#14.8 47.38,13.63 47.03,13.28 v1(47.03,12.97) ; v1(62.7,51.3) 62.7,51.26 62.36,50.91 ; v1(66.08,32.02) 66.08,32.33 66.42,32.68 J1#3.8 ; J1#13.8 28.33,89.83 27.98,89.48 v1(27.98,89.17) ; v1(5.55,13.2) 5.55,13.16 5.21,12.81
/Keyboard/sheet605ED2EB/5V: length 420.4
  Top w0.5: 58.42,93.72 58.79,93.36 ; 58.42,74.67 58.79,74.31 ; J4#20.1 36.7,93.34 32.31,93.34 31.88,92.91 31.29,92.91 30.89,93.31 29.3,93.31 28.37,94.23 24.63,94.23 23.74,93.34 20.45,93.34 J3#11.1 ; 39.37,17.53 39.74,17.16 ; 74.55,36.19 74.93,36.58 ; J4#8.1 36.7,74.29 32.31,74.29 31.88,73.86 31.29,73.86 30.89,74.26 29.3,74.26 28.37,75.19 24.63,75.19 23.74,74.29 20.45,74.29 J3#9.1 ; 20.32,36.58 20.69,36.21 ; J4#4.1 17.65,17.14 13.26,17.14 12.83,16.71 12.24,16.71 11.84,17.11 10.25,17.11 9.32,18.03 5.59,18.03 4.69,17.14 1.4,17.14 J3#8.1 ; J4#19.1 55.75,36.19 51.36,36.19 50.93,35.76 50.34,35.76 49.94,36.16 48.35,36.16 47.42,37.08 43.69,37.08 42.79,36.19 39.5,36.19 J3#17.1 ; J3#6.1 39.5,55.24 42.79,55.24 43.69,56.13 47.42,56.13 48.35,55.21 49.94,55.21 50.34,54.81 50.93,54.81 51.36,55.24 55.75,55.24 J4#2.1 ; J4#17.1 17.65,74.29 13.26,74.29 12.83,73.86 12.24,73.86 11.84,74.26 10.25,74.26 9.32,75.19 5.59,75.19 4.69,74.29 1.4,74.29 J3#10.1 ; J3#3.1 39.5,17.14 42.79,17.14 43.69,18.03 47.42,18.03 48.35,17.11 49.94,17.11 50.34,16.71 50.93,16.71 51.36,17.14 55.75,17.14 J4#18.1 ; J3#20.1 58.55,36.19 61.84,36.19 62.73,37.08 66.47,37.08 67.4,36.16 68.99,36.16 69.39,35.76 69.98,35.76 70.41,36.19 74.8,36.19 J4#14.1 ; J3#13.1 58.55,55.24 61.84,55.24 62.73,56.13 66.47,56.13 67.4,55.21 68.99,55.21 69.39,54.81 69.98,54.81 70.41,55.24 74.8,55.24 J4#11.1 ; 58.42,55.62 58.79,55.26 ; 39.37,36.58 39.74,36.21 ; J4#16.1 17.65,36.19 13.26,36.19 12.83,35.76 12.24,35.76 11.84,36.16 10.25,36.16 9.32,37.08 5.59,37.08 4.69,36.19 1.4,36.19 J3#16.1 ; 55.5,74.3 55.88,74.67 ; 74.55,74.3 74.93,74.67 ; J3#12.1 58.55,93.34 61.84,93.34 62.73,94.23 66.47,94.23 67.4,93.31 68.99,93.31 69.39,92.91 69.98,92.91 70.41,93.34 74.8,93.34 J4#7.1 ; 1.27,17.53 1.64,17.16 ; 17.4,93.34 17.78,93.72 ; J4#5.1 17.65,55.24 13.26,55.24 12.83,54.81 12.24,54.81 11.84,55.21 10.25,55.21 9.32,56.13 5.59,56.13 4.69,55.24 1.4,55.24 J3#4.1 ; 36.45,17.15 36.83,17.53 ; 58.42,17.53 58.79,17.16 ; 55.5,55.24 55.88,55.62 ; 36.45,93.34 36.83,93.72 ; 74.55,55.24 74.93,55.62 ; 17.4,55.24 17.78,55.62 ; 74.55,93.34 74.93,93.72 ; 20.32,74.67 20.69,74.31 ; J3#5.1 58.55,74.29 61.84,74.29 62.73,75.19 66.47,75.19 67.4,74.26 68.99,74.26 69.39,73.86 69.98,73.86 70.41,74.29 74.8,74.29 J4#3.1 ; 1.27,74.67 1.64,74.31 ; 55.5,93.34 55.88,93.72 ; J4.1 17.65,93.34 13.26,93.34 12.83,92.91 12.24,92.91 11.84,93.31 10.25,93.31 9.32,94.23 5.59,94.23 4.69,93.34 1.4,93.34 J3.1 ; 58.42,36.58 58.79,36.21 ; 39.37,74.67 39.74,74.31 ; J4#13.1 55.75,93.34 51.36,93.34 50.93,92.91 50.34,92.91 49.94,93.31 48.35,93.31 47.42,94.23 43.69,94.23 42.79,93.34 39.5,93.34 J3#19.1 ; J4#15.1 36.7,36.19 32.31,36.19 31.88,35.76 31.29,35.76 30.89,36.16 29.3,36.16 28.37,37.08 24.63,37.08 23.74,36.19 20.45,36.19 J3#7.1 ; 17.4,74.3 17.78,74.67 ; 39.37,93.72 39.74,93.36 ; 36.45,36.19 36.83,36.58 ; J3#2.1 20.45,55.24 23.74,55.24 24.63,56.13 28.37,56.13 29.3,55.21 30.89,55.21 31.29,54.81 31.88,54.81 32.31,55.24 36.7,55.24 J4#12.1 ; 55.5,17.15 55.88,17.53 ; J4#10.1 55.75,74.29 51.36,74.29 50.93,73.86 50.34,73.86 49.94,74.26 48.35,74.26 47.42,75.19 43.69,75.19 42.79,74.29 39.5,74.29 J3#18.1 ; J4#9.1 36.7,17.14 32.31,17.14 31.88,16.71 31.29,16.71 30.89,17.11 29.3,17.11 28.37,18.03 24.63,18.03 23.74,17.14 20.45,17.14 J3#14.1 ; J3#15.1 58.55,17.14 61.84,17.14 62.73,18.03 66.47,18.03 67.4,17.11 68.99,17.11 69.39,16.71 69.98,16.71 70.41,17.14 74.8,17.14 J4#6.1 ; 1.27,93.72 1.64,93.36 ; 1.27,36.58 1.64,36.21 ; 20.32,55.62 20.69,55.26 ; 55.5,36.19 55.88,36.58 ; 36.45,55.24 36.83,55.62 ; 20.32,17.53 20.69,17.16 ; 17.4,17.15 17.78,17.53 ; 17.4,36.19 17.78,36.58 ; 39.37,55.62 39.74,55.26 ; 20.32,93.72 20.69,93.36 ; 36.45,74.3 36.83,74.67 ; 74.55,17.15 74.93,17.53 ; 1.27,55.62 1.64,55.26